# Altium PCB ZYNQ_IPMC.PcbDoc (part 2 of 6) (continued)
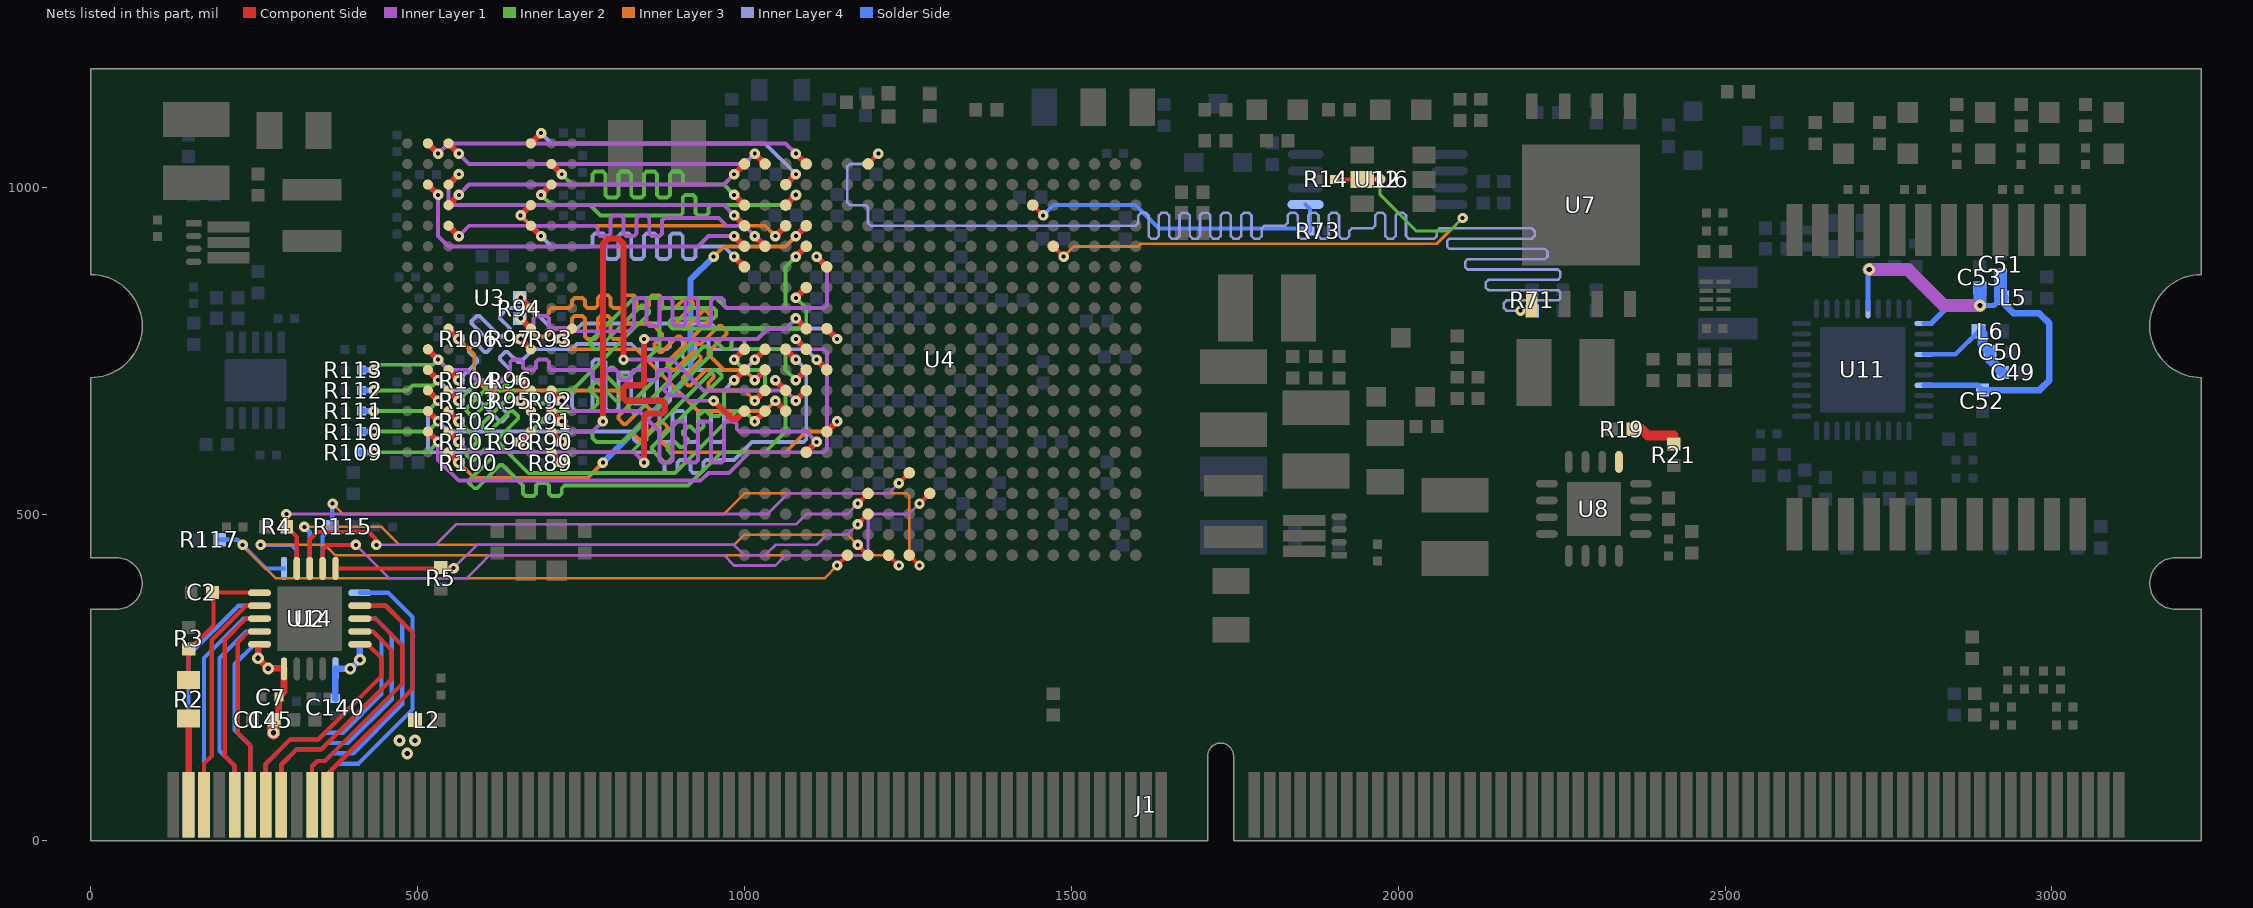
[diagram p10: the nets of this part, all layers, seen from the top]
## Nets (pads, with @x,y where several pads share a name; then routed paths per layer and width w, separated by ;. In a path a pad name is that pad's centre, name@x,y a point inside that pad or via, vN(x,y) a via of type N, cw(c..) or ccw(c..) an arc to the next point about the centre after c; other vN are vias at no path point) (continued)
  Solder Side w6.5: v1(2187.01,811.02) 2204.13,811.02 R71.2@2204.72,810.43
\SPI_CS0: R73.2 U4.C15 U12.1 | length 496.8
  Component Side w6: U4.C15@1440.94,972.44 v1(1456.69,956.69)
  Solder Side w6: v1(1456.69,956.69) 1472.44,972.44 1598.43,972.44 1633.86,937.01 1861.22,937.01 R73.2@1865.16,933.07 1865.16,966.54 U12.1@1858.27,973.43
\SPI_CS1: R14.2 U4.E16 U6.5 | length 907.4
  Component Side w6: U4.E16@1472.44,909.45 v1(1488.19,893.7) ; R14.2@1902.56,1011.81 U6.5@1944.88,1011.81 v1(1972.44,1011.81)
  Inner Layer 2 w4.5: v1(1972.44,1011.81) 1972.44,988.19 2027.56,933.07 2078.74,933.07 v1(2098.43,952.76)
  Inner Layer 3 w4.5: v1(1488.19,893.7) 1503.94,909.45 1602.36,909.45 1606.3,913.39 2059.06,913.39 v1(2098.43,952.76)
ADC-A_IN0: C2.2 R2.2 R3.2 U2.16 | length 223
  Component Side w6.5: R2.2@149.61,246.06 149.61,293.27 150,293.27 151.54,293.27 187.72,329.45 C2.2@187.72,380 ; C2.2@186.34,380 C2.2@187.72,380 ; U2.16@258.23,379.37 257.6,380 C2.2@187.72,380
ADC-A_IN1: J1.3 U2.17 | length 351.8
  Component Side w6.5: J1.3@173.23,55.12 173.23,118.11 185,129.88 185,307.05 237.64,359.69 U2.17@258.23,359.69
ADC-A_IN2: J1.5 U2.18 | length 325.4
  Component Side w6.5: J1.5@220.47,55.12 220.47,114.17 205,129.65 205,307.36 237.64,340 U2.18@258.23,340
ADC-A_IN3: J1.6 U2.19 | length 296.6
  Component Side w6.5: J1.6@244.09,55.12 244.09,145.67 225,164.76 225,303.74 241.57,320.32 U2.19@258.23,320.32
ADC-A_IN4: J1.7 U2.6 | length 373.9
  Component Side w6.5: J1.7@267.72,55.12 267.72,117.72 305,155 347.91,155 444.88,251.97 444.88,279.53 423.78,300.63 U2.6@411.77,300.63 403.83,300.63 U2.6@402.98,299.78
ADC-A_IN5: J1.8 U2.7 | length 389.2
  Component Side w6.5: J1.8@291.34,55.12 291.34,116.34 315,140 352.6,140 460.63,248.03 460.63,291.34 431.65,320.32 U2.7@411.77,320.32
ADC-A_IN6: J1.10 U2.8 | length 389.6
  Component Side w6.5: J1.10@338.58,55.12 338.58,114.17 346.46,122.05 358.27,122.05 476.38,240.16 476.38,299.21 435.59,340 U2.8@411.77,340
ADC-A_IN7: J1.11 U2.9 | length 414.8
  Component Side w6.5: J1.11@362.2,55.12 367.06,59.98 367.06,107.22 492.13,232.28 492.13,318.9 451.34,359.69 U2.9@411.77,359.69
ADC-A_SPI_CLK: U2.13 U4.U7 | length 948.3
  Component Side w6.5: U2.13@335,416.77 335,460.98 346.46,472.44 425.2,472.44 437.01,460.63 v1(437.01,452.76) ; v1(1173.23,515.75) U4.U7@1188.98,531.5
  Inner Layer 1 w4: v1(437.01,452.76) 527.56,452.76 559.06,484.25 1078.74,484.25 1094.49,500 1157.48,500 v1(1173.23,515.75)
ADC-A_SPI_MISO: R4.1 U2.14 U4.T9 | length 1068.7
  Component Side w6.5: v1(299.21,500) 299.8,499.41 R4.1@299.8,480.32 315.31,464.8 U2.14@315.31,416.77 ; v1(1236.22,547.24) U4.T9@1251.97,562.99
  Inner Layer 1 w4: v1(299.21,500) 1035.43,500 1066.93,531.5 1220.47,531.5 v1(1236.22,547.24)
ADC-A_SPI_MOSI: U2.12 U4.U10 | length 1080.7
  Component Side w6.5: U2.12@354.68,416.77 354.68,445.24 362.2,452.76 v1(405.51,452.76) ; v1(1267.72,515.75) U4.U10@1283.46,531.5
  Inner Layer 1 w4: v1(405.51,452.76) 456.69,401.57 574.8,401.57 594.49,421.26 610.24,437.01 968.5,437.01 984.25,421.26 1047.24,421.26 1062.99,437.01 1185.04,437.01 1188.98,440.94 1188.98,496.06 1192.91,500 1251.97,500 v1(1267.72,515.75)
ADC-B_IN0: J1.124 U14.9 | length 368.5
  Solder Side w6.5: J1.124@149.61,55.12 149.61,283.46 225.83,359.68 U14.9@258.23,359.68
ADC-B_IN1: J1.125 U14.8 | length 334.5
  Solder Side w6.5: J1.125@173.23,55.12 173.23,279.53 233.7,340 U14.8@258.23,340
ADC-B_IN2: J1.127 U14.7 | length 312.5
  Solder Side w6.5: J1.127@220.47,55.12 220.47,114.17 196.85,137.8 196.85,279.53 237.64,320.31 U14.7@258.23,320.31
ADC-B_IN3: J1.128 U14.6 | length 275.9
  Solder Side w6.5: J1.128@244.09,55.12 244.09,145.67 220,169.76 220,270.19 250.44,300.63 U14.6@258.23,300.63
ADC-B_IN4: J1.129 U14.19 | length 399.7
  Solder Side w6.5: J1.129@267.72,55.12 267.72,117.72 305,155 347.91,155 358.27,165.35 385.83,165.35 444.88,224.41 444.88,307.09 431.65,320.31 U14.19@417.32,320.31
ADC-B_IN5: J1.130 U14.18 | length 429.7
  Solder Side w6.5: J1.130@291.34,55.12 291.34,116.34 315,140 352.6,140 362.2,149.61 393.7,149.61 460.63,216.54 460.63,314.96 435.59,340 U14.18@411.77,340
ADC-B_IN6: J1.132 U14.17 | length 437
  Solder Side w6.5: J1.132@338.58,55.12 338.58,114.17 346.46,122.05 358.27,122.05 370.08,133.86 401.57,133.86 476.38,208.66 476.38,334.65 451.34,359.68 U14.17@411.77,359.68
ADC-B_IN7: J1.133 U14.16 | length 455
  Solder Side w6.5: J1.133@362.2,55.12 362.2,101.87 378.45,118.11 409.45,118.11 492.13,200.79 492.13,342.52 455.28,379.37 U14.16@411.77,379.37
ADC-B_SPI_CLK: U4.Y7 U14.13 | length 960.1
  Component Side w6.5: v1(1173.23,452.76) U4.Y7@1188.98,437.01
  Inner Layer 3 w4: v1(326.77,480.32) 444.88,480.32 472.44,452.76 984.25,452.76 1000,468.5 1157.48,468.5 v1(1173.23,452.76)
  Solder Side w6.5: v1(326.77,480.32) 335,472.09 U14.13@335,416.77
ADC-B_SPI_MISO: R115.1 U4.Y9 U14.14 | length 1143.5
  Component Side w6.5: U4.Y9@1251.97,437.01 v1(1267.72,421.26)
  Inner Layer 3 w4: v1(370.08,515.75) 385.83,500 968.5,500 1000,531.5 1248.03,531.5 1251.97,527.56 1251.97,437.01 v1(1267.72,421.26)
  Solder Side w6.5: U14.14@354.69,416.77 354.69,465.51 R115.1@369.49,480.32 369.49,515.16 v1(370.08,515.75)
ADC-B_SPI_MOSI: U4.Y8 U14.12 | length 1098.3
  Component Side w6.5: U4.Y8@1220.47,437.01 v1(1236.22,421.26)
  Inner Layer 3 w4: v1(259.84,452.76) 358.27,452.76 374.02,437.01 1220.47,437.01 v1(1236.22,421.26)
  Solder Side w6.5: v1(259.84,452.76) 307.09,452.76 315.31,444.53 U14.12@315.31,416.77
ADJ_1.8: R19.1 R21.2 U8.9 | length 53.3
  Component Side w15: 2372.05,629.92 2381.89,620.08 2421.26,620.08
AVCC3.3: C4.2 C7.2 C140.2 C145.2 L2.2 U2.1 U2.20 U14.1 U14.20 | length 305.5
  Component Side w10: U2.20@258.23,300.63 255.9,298.31 v3(255.91,279.53) v3(271.65,263.78) 295.08,263.78 U2.1@295.63,263.23 295.63,227.83 C7.2@287.8,220 287.8,192.72 C4.2@280.12,185.04 C4.2@279.53,184.45
  Component Side w20: v3(279.53,165.35) C4.2@279.53,184.45
  Solder Side w10: C140.2@374.02,217.52 374.37,217.87 U14.1@374.37,263.23 v3(397.09,263.23) 397.8,263.23 v3(411.77,277.2) U14.20@411.77,300.63
  Solder Side w20: v3(279.53,165.35) 279.53,184.45 C145.2@280.12,185.04
  other v3: 484.25,133.86 472.44,153.54 496.06,153.54
AVDD33: C49.2 C50.2 L6.1 U11.14 | length 178.5
  Solder Side w7: U11.14@2804.13,744.09 2852.36,744.09 L6.1@2887.8,779.53 L6.1@2893.7,785.43
  Solder Side w15: L6.1@2893.7,775.59 2893.7,759.25 C50.2@2904.92,748.03 2904.92,736.22 C49.2@2924.61,716.54
AVDDL: C51.2 C52.2 C53.2 L5.2 U11.6 U11.11 U11.17 | length 831.4
  Inner Layer 1 w20: v3(2720.47,874.02) 2779.53,874.02 2834.65,818.9 v3(2889.76,818.9)
  Solder Side w8: U11.6@2718.5,813.98 2718.5,872.05 v3(2720.47,874.02) ; U11.17@2804.13,696.85 2886.42,696.85 C52.2@2893.7,689.57 ; U11.11@2804.13,791.34 2814.96,791.34 2842.52,818.9 v3(2889.76,818.9) 2911.42,818.9 L5.2@2923.23,830.71
  Solder Side w10: C52.2@2893.7,689.57 2980.91,689.57 2996.06,704.72 2996.06,791.34 2980.31,807.09 2940.94,807.09 2923.23,824.8 L5.2@2923.23,830.71
  Solder Side w20: v3(2889.76,818.9) C53.2@2889.76,845.87 ; C51.2@2921.26,865.55 2921.26,832.68 L5.2@2923.23,830.71
DDR3_A0: R103.1 U3.N3 U4.N2 | length 914.3
  Component Side w9.5: U3.N3@547.24,688.98 v2(562.99,673.23) ; v1(1015.75,641.73) U4.N2@1031.5,657.48
  Inner Layer 2 w6: v2(562.99,673.23) 594.49,704.72 598.43,704.72 606.3,696.85 606.3,692.91 574.8,661.42 574.8,657.48 582.68,649.61 586.61,649.61 633.86,696.85 637.8,696.85 645.67,688.98 645.67,685.04 598.43,637.8 598.43,633.86 606.3,625.98 610.24,625.98 641.73,657.48 645.67,657.48 653.54,649.61 653.54,645.67 629.92,622.05 622.05,614.17 622.05,610.24 669.29,562.99 893.7,562.99 988.19,657.48 1000,657.48 v1(1015.75,641.73)
DDR3_A1: R95.1 U3.P7 U4.K2 | length 915.3
  Component Side w9.5: v2(657.48,673.23) U3.P7@673.23,657.48 ; v1(1015.75,736.22) U4.K2@1031.5,751.97
  Inner Layer 4 w6: v2(657.48,673.23) 673.23,657.48 673.23,645.67 677.17,641.73 696.85,641.73 700.79,645.67 700.79,685.04 704.72,688.98 732.28,688.98 736.22,685.04 736.22,661.42 740.16,657.48 763.78,657.48 767.72,661.42 767.72,732.28 771.65,736.22 783.46,736.22 787.4,732.28 787.4,661.42 791.34,657.48 803.15,657.48 807.09,661.42 807.09,712.6 811.02,716.54 822.83,716.54 826.77,712.6 826.77,673.23 830.71,669.29 842.52,669.29 846.46,673.23 846.46,732.28 850.39,736.22 862.2,736.22 866.14,732.28 866.14,673.23 870.08,669.29 881.89,669.29 885.83,673.23 885.83,716.54 889.76,720.47 1000,720.47 v1(1015.75,736.22)
DDR3_A2: R102.1 U3.P3 U4.M3 | length 913.5
  Component Side w9.5: U3.P3@547.24,657.48 v2(562.99,641.73) ; v1(1047.24,704.72) U4.M3@1062.99,688.98
  Inner Layer 2 w6: v2(562.99,641.73) 590.55,614.17 590.55,610.24 574.8,594.49 574.8,590.55 582.68,582.68 586.61,582.68 602.36,598.43 606.3,598.43 614.17,590.55 614.17,586.61 578.74,551.18 578.74,547.24 586.61,539.37 590.55,539.37 625.98,574.8 629.92,574.8 661.42,543.31 661.42,531.5 665.35,527.56 677.17,527.56 681.1,531.5 681.1,543.31 685.04,547.24 696.85,547.24 700.79,543.31 700.79,531.5 704.72,527.56 716.54,527.56 720.47,531.5 720.47,539.37 724.41,543.31 913.39,543.31 964.57,594.49 1031.5,594.49 1062.99,625.98 1062.99,688.98 v1(1047.24,704.72)
DDR3_A3: R111.1 U3.N2 U4.K3 | length 1036.7
  Component Side w9.5: U3.N2@515.75,688.98 v1(531.5,673.23) ; U4.K3@1062.99,751.97 v1(1078.74,736.22)
  Inner Layer 2 w6: v1(433.07,657.48) 515.75,657.48 v1(531.5,673.23)
  Inner Layer 4 w6: v1(531.5,673.23) 515.75,657.48 515.75,598.43 519.68,594.49 862.2,594.49 877.95,578.74 877.95,566.93 881.89,562.99 893.7,562.99 897.64,566.93 897.64,578.74 901.57,582.68 913.39,582.68 917.32,578.74 917.32,566.93 921.26,562.99 933.07,562.99 937.01,566.93 937.01,578.74 940.94,582.68 984.25,582.68 1011.81,610.24 1090.55,610.24 1094.49,614.17 1094.49,720.47 v1(1078.74,736.22)
  Solder Side w9.5: R111.1@414.37,657.48 v1(433.07,657.48)
DDR3_A4: R91.1 U3.P8 U4.M4 | length 897.3
  Component Side w9.5: U3.P8@704.72,657.48 v2(720.47,641.73) ; v1(783.46,641.73) 783.46,913.39 791.34,921.26 807.09,921.26 814.96,913.39 v1(814.96,736.22) ; v1(1078.74,673.23) U4.M4@1094.49,688.98
  Inner Layer 1 w6: v2(720.47,641.73) 736.22,625.98 767.72,625.98 v1(783.46,641.73) ; v1(814.96,736.22) 889.76,736.22 937.01,688.98 1062.99,688.98 v1(1078.74,673.23)
DDR3_A5: R110.1 U3.P2 U4.L1 | length 977.4
  Component Side w9.5: U3.P2@515.75,657.48 v1(531.5,641.73) ; v1(984.25,704.72) U4.L1@1000,720.47
  Inner Layer 2 w6: v1(433.07,625.98) 515.75,625.98 v1(531.5,641.73)
  Inner Layer 4 w6: v1(531.5,641.73) 547.24,625.98 826.77,625.98 830.71,622.05 830.71,614.17 834.65,610.24 846.46,610.24 850.39,614.17 850.39,653.54 854.33,657.48 866.14,657.48 870.08,653.54 870.08,614.17 874.02,610.24 885.83,610.24 889.76,614.17 889.76,653.54 893.7,657.48 905.51,657.48 909.45,653.54 909.45,614.17 913.39,610.24 925.2,610.24 929.13,614.17 929.13,653.54 933.07,657.48 944.88,657.48 948.82,653.54 948.82,614.17 952.76,610.24 964.57,610.24 968.5,614.17 968.5,688.98 v1(984.25,704.72)
  Solder Side w9.5: R110.1@414.37,625.98 v1(433.07,625.98)
DDR3_A6: R90.1 U3.R8 U4.L4 | length 890.4
  Component Side w9.5: U3.R8@704.72,625.98 v2(720.47,610.24) ; v1(1078.74,704.72) U4.L4@1094.49,720.47
  Inner Layer 2 w6: v2(720.47,610.24) 736.22,625.98 763.78,625.98 767.72,622.05 767.72,616.14 773.62,610.24 814.96,610.24 948.82,744.09 948.82,748.03 940.94,755.91 937.01,755.91 834.65,653.54 830.71,653.54 822.83,661.42 822.83,665.35 925.2,767.72 952.76,767.72 968.5,751.97 976.38,751.97 980.31,755.91 980.31,763.78 984.25,767.72 996.06,767.72 1000,763.78 1000,755.91 1003.94,751.97 1059.06,751.97 1062.99,748.03 1062.99,720.47 v1(1078.74,704.72)
DDR3_A7: R109.1 U3.R2 U4.K4 | length 1027.9
  Component Side w9.5: U3.R2@515.75,625.98 v1(531.5,610.24) ; v1(1078.74,767.72) U4.K4@1094.49,751.97
  Inner Layer 1 w6: v1(531.5,610.24) 531.5,582.68 562.99,551.18 933.07,551.18 944.88,562.99 976.38,562.99 1007.87,594.49 1122.05,594.49 1125.98,598.43 1125.98,748.03 1122.05,751.97 1094.49,751.97 v1(1078.74,767.72)
  Inner Layer 2 w6: v1(433.07,594.49) 515.75,594.49 v1(531.5,610.24)
  Solder Side w9.5: R109.1@414.37,594.49 v1(433.07,594.49)
DDR3_A8: R89.1 U3.T8 U4.K1 | length 913.3
  Component Side w9.5: U3.T8@704.72,594.49 v2(720.47,578.74) ; v1(984.25,736.22) U4.K1@1000,751.97
  Inner Layer 2 w6: v2(720.47,578.74) 736.22,594.49 826.77,594.49 952.76,720.47 956.69,720.47 964.57,712.6 964.57,708.66 858.27,602.36 858.27,598.43 866.14,590.55 877.95,578.74 881.89,578.74 889.76,586.61 889.76,590.55 881.89,598.43 881.89,602.36 889.76,610.24 893.7,610.24 901.57,602.36 905.51,602.36 913.39,610.24 913.39,614.17 905.51,622.05 905.51,625.98 913.39,633.86 917.32,633.86 925.2,625.98 929.13,625.98 937.01,633.86 937.01,637.8 929.13,645.67 929.13,649.61 937.01,657.48 940.94,657.48 948.82,649.61 960.63,649.61 968.5,657.48 968.5,685.04 972.44,688.98 1027.56,688.98 1031.5,692.91 1031.5,716.54 1027.56,720.47 1000,720.47 v1(984.25,736.22)
DDR3_A9: R101.1 U3.R3 U4.J4 | length 887.5
  Component Side w9.5: U3.R3@547.24,625.98 v2(562.99,610.24) ; v1(846.46,578.74) 846.46,649.61 850.39,653.54 874.02,653.54 877.95,657.48 877.95,669.29 874.02,673.23 818.9,673.23 814.96,677.17 814.96,692.91 818.9,696.85 842.52,696.85 846.46,700.79 v1(846.46,767.72) ; v1(1078.74,799.21) U4.J4@1094.49,783.46
  Inner Layer 1 w6: v2(562.99,610.24) 578.74,594.49 830.71,594.49 v1(846.46,578.74) ; v1(846.46,767.72) 1019.68,767.72 1035.18,783.22 1062.74,783.22 v1(1078.74,799.21)
DDR3_A10: R97.1 U3.L7 U4.F5 | length 921.9
  Component Side w9.5: v2(657.48,767.72) U3.L7@673.23,751.97 ; v1(1110.24,893.7) U4.F5@1125.98,877.95
  Inner Layer 1 w6: v2(657.48,767.72) 677.17,787.4 677.17,799.21 681.1,803.15 696.85,803.15 700.79,799.21 700.79,787.4 704.72,783.46 732.28,783.46 736.22,779.53 822.83,779.53 830.71,787.4 830.71,826.77 834.65,830.71 846.46,830.71 850.39,826.77 850.39,791.34 854.33,787.4 866.14,787.4 870.08,791.34 870.08,826.77 874.02,830.71 885.83,830.71 889.76,826.77 889.76,791.34 893.7,787.4 905.51,787.4 909.45,791.34 909.45,826.77 913.39,830.71 925.2,830.71 929.13,826.77 929.13,791.34 933.07,787.4 944.88,787.4 948.82,791.34 948.82,826.77 952.76,830.71 964.57,830.71 968.5,826.77 968.5,818.9 972.44,814.96 1122.05,814.96 1125.98,818.9 1125.98,877.95 v1(1110.24,893.7)
DDR3_A11: R98.1 U3.R7 U4.G4 | length 940.2
  Component Side w9.5: v2(657.48,610.24) U3.R7@673.23,625.98 ; v1(1078.74,830.71) U4.G4@1094.49,846.46
  Inner Layer 2 w6: v2(657.48,610.24) 704.72,657.48 763.78,657.48 775.59,669.29 775.59,677.17 763.78,688.98 763.78,692.91 771.65,700.79 775.59,700.79 803.15,673.23 807.09,673.23 814.96,681.1 814.96,685.04 787.4,712.6 787.4,716.54 795.28,724.41 799.21,724.41 814.96,708.66 822.83,708.66 870.08,755.91 870.08,811.02 874.02,814.96 952.76,814.96 956.69,811.02 956.69,803.15 952.76,799.21 889.76,799.21 885.83,795.28 885.83,787.4 889.76,783.46 1090.55,783.46 1094.49,787.4 1094.49,814.96 v1(1078.74,830.71)
DDR3_A12: R96.1 U3.N7 U4.E4 | length 876.1
  Component Side w9.5: v2(657.48,704.72) U3.N7@673.23,688.98 ; v1(1078.74,893.7) U4.E4@1094.49,909.45
  Inner Layer 2 w6: v2(657.48,704.72) 677.17,685.04 677.17,673.23 681.1,669.29 692.91,669.29 696.85,673.23 696.85,685.04 700.79,688.98 736.22,688.98 854.33,807.09 854.33,811.02 846.46,818.9 842.52,818.9 775.59,751.97 771.65,751.97 763.78,759.84 763.78,763.78 830.71,830.71 956.69,830.71 972.44,814.96 1059.06,814.96 1062.99,818.9 1062.99,877.95 v1(1078.74,893.7)
DDR3_A13: R100.1 U3.T3 U4.D4 | length 808.7
  Component Side w9.5: U3.T3@547.24,594.49 v2(562.99,578.74) ; v1(1078.74,925.2) U4.D4@1094.49,940.94
  Inner Layer 3 w6: v2(562.99,578.74) 586.61,555.12 759.84,555.12 v1(783.46,578.74) ; v1(952.76,893.7) 968.5,909.45 1062.99,909.45 v1(1078.74,925.2)
  Solder Side w9.5: v1(783.46,578.74) 917.32,712.6 917.32,858.27 v1(952.76,893.7)
DDR3_BA0: R112.1 U3.M2 U4.L5 | length 1016.7
  Component Side w9.5: U3.M2@515.75,720.47 v1(531.5,704.72) ; v1(1110.24,736.22) U4.L5@1125.98,720.47
  Inner Layer 2 w6: v1(433.07,688.98) 484.25,688.98 492.13,696.85 523.62,696.85 v1(531.5,704.72)
  Inner Layer 4 w6: v1(531.5,704.72) 547.24,688.98 578.74,688.98 625.98,641.73 629.92,641.73 637.8,649.61 637.8,653.54 610.24,681.1 610.24,685.04 641.73,716.54 641.73,720.47 625.98,736.22 625.98,740.16 633.86,748.03 637.8,748.03 653.54,732.28 657.48,732.28 677.17,751.97 736.22,751.97 744.09,759.84 826.77,759.84 834.65,751.97 881.89,751.97 885.83,755.91 885.83,763.78 889.76,767.72 901.57,767.72 905.51,763.78 905.51,740.16 909.45,736.22 921.26,736.22 925.2,740.16 925.2,763.78 929.13,767.72 940.94,767.72 944.88,763.78 944.88,755.91 948.82,751.97 1094.49,751.97 v1(1110.24,736.22)
  Solder Side w9.5: R112.1@414.37,688.98 v1(433.07,688.98)
DDR3_BA1: R92.1 U3.N8 U4.R4 | length 808.4
  Component Side w9.5: U3.N8@704.72,688.98 v2(720.47,673.23) ; U4.R4@1094.49,594.49 v1(1110.24,610.24)
  Inner Layer 1 w6: v2(720.47,673.23) 736.22,657.48 838.58,657.48 870.08,625.98 870.08,582.68 874.02,578.74 885.83,578.74 889.76,582.68 889.76,637.8 893.7,641.73 905.51,641.73 909.45,637.8 909.45,582.68 913.39,578.74 925.2,578.74 929.13,582.68 929.13,637.8 933.07,641.73 944.88,641.73 948.82,637.8 948.82,582.68 952.76,578.74 964.57,578.74 968.5,582.68 968.5,637.8 972.44,641.73 984.25,641.73 988.19,637.8 988.19,629.92 992.13,625.98 1094.49,625.98 v1(1110.24,610.24)
DDR3_BA2: R104.1 U3.M3 U4.J5 | length 860.6
  Component Side w9.5: U3.M3@547.24,720.47 v2(562.99,704.72) ; U4.J5@1125.98,783.46 v1(1141.73,767.72)
  Inner Layer 4 w6: v2(562.99,704.72) 590.55,732.28 590.55,736.22 578.74,748.03 578.74,751.97 586.61,759.84 590.55,759.84 602.36,748.03 606.3,748.03 614.17,755.91 614.17,759.84 582.68,791.34 582.68,795.28 590.55,803.15 594.49,803.15 625.98,771.65 629.92,771.65 641.73,783.46 625.98,799.21 625.98,803.15 637.8,814.96 673.23,814.96 704.72,783.46 744.09,783.46 751.97,791.34 948.82,791.34 956.69,783.46 1125.98,783.46 v1(1141.73,767.72)
DDR3_CAS#: R106.1 U3.K3 U4.P5 | length 905.1
  Component Side w9.5: U3.K3@547.24,783.46 v2(562.99,767.72) ; U4.P5@1125.98,625.98 v1(1141.73,641.73)
  Inner Layer 3 w6: v2(562.99,767.72) 586.61,744.09 586.61,708.66 606.3,688.98 803.15,688.98 822.83,669.29 822.83,665.35 807.09,649.61 807.09,645.67 814.96,637.8 818.9,637.8 846.46,665.35 850.39,665.35 858.27,657.48 858.27,653.54 830.71,625.98 830.71,622.05 838.58,614.17 842.52,614.17 870.08,641.73 874.02,641.73 881.89,633.86 881.89,629.92 870.08,618.11 870.08,614.17 889.76,594.49 1062.99,594.49 1094.49,625.98 1125.98,625.98 v1(1141.73,641.73)
DDR3_CK_N: R94.1 U3.K7 U4.M2 | length 831.5
  Component Side w9.5: v2(657.48,799.21) U3.K7@673.23,783.46 ; v1(1015.75,673.23) U4.M2@1031.5,688.98
  Inner Layer 3 w6: v2(657.48,799.21) 677.17,779.53 677.17,775.59 681.1,771.65 696.85,771.65 700.79,775.59 700.79,779.53 704.72,783.46 732.28,783.46 736.22,787.4 736.22,799.21 740.16,803.15 751.97,803.15 755.91,799.21 755.91,771.65 759.84,767.72 771.65,767.72 775.59,771.65 775.59,799.21 779.53,803.15 791.34,803.15 795.28,799.21 795.28,771.65 799.21,767.72 811.02,767.72 814.96,771.65 814.96,787.4 818.9,791.34 858.27,791.34 874.02,775.59 874.02,771.65 862.2,759.84 862.2,755.91 870.08,748.03 874.02,748.03 897.64,771.65 901.57,771.65 909.45,763.78 909.45,759.84 881.89,732.28 881.89,728.35 889.76,720.47 893.7,720.47 921.26,748.03 925.2,748.03 933.07,740.16 933.07,736.22 905.51,708.66 905.51,704.72 913.39,696.85 917.32,696.85 940.94,720.47 944.88,720.47 952.76,712.6 952.76,708.66 944.88,700.79 944.88,692.91 948.82,688.98 1000,688.98 v1(1015.75,673.23)
DDR3_CK_P: R94.2 U3.J7 U4.L2 | length 812.1
  Component Side w9.5: v2(657.48,830.71) U3.J7@673.23,814.96 ; v1(1015.75,704.72) U4.L2@1031.5,720.47
  Inner Layer 3 w6: v2(657.48,830.71) 677.17,811.02 677.17,807.09 681.1,803.15 696.85,803.15 700.79,807.09 700.79,811.02 704.72,814.96 732.28,814.96 736.22,818.9 736.22,826.77 740.16,830.71 751.97,830.71 755.91,826.77 755.91,818.9 759.84,814.96 771.65,814.96 775.59,818.9 775.59,830.71 779.53,834.65 791.34,834.65 795.28,830.71 795.28,818.9 799.21,814.96 811.02,814.96 814.96,818.9 814.96,830.71 818.9,834.65 830.71,834.65 834.65,830.71 834.65,818.9 838.58,814.96 850.39,814.96 854.33,818.9 854.33,830.71 858.27,834.65 870.08,834.65 874.02,830.71 874.02,818.9 877.95,814.96 893.7,814.96 909.45,830.71 913.39,830.71 921.26,822.83 921.26,818.9 897.64,795.28 897.64,791.34 905.51,783.46 909.45,783.46 937.01,811.02 940.94,811.02 948.82,803.15 948.82,799.21 921.26,771.65 921.26,767.72 929.13,759.84 933.07,759.84 960.63,787.4 964.57,787.4 972.44,779.53 972.44,775.59 944.88,748.03 944.88,744.09 968.5,720.47 1000,720.47 v1(1015.75,704.72)
DDR3_CKE: R93.1 U3.K9 U4.N3 | length 423.5
  Component Side w9.5: v2(720.47,767.72) U3.K9@736.22,783.46 ; v1(1047.24,673.23) U4.N3@1062.99,657.48
  Inner Layer 3 w6: v2(720.47,767.72) 736.22,751.97 834.65,751.97 929.13,657.48 1031.5,657.48 v1(1047.24,673.23)
DDR3_CS#: R113.1 U3.L2 U4.N1 | length 813.3
  Component Side w9.5: U3.L2@515.75,751.97 v1(531.5,736.22) ; v1(952.76,673.23) 980.31,645.67 988.19,645.67 U4.N1@1000,657.48
  Inner Layer 1 w6: v1(531.5,736.22) 547.24,720.47 574.8,720.47 590.8,704.47 629.67,704.47 641.73,716.54 641.73,732.28 645.67,736.22 657.48,736.22 661.42,732.28 661.42,724.41 665.35,720.47 677.17,720.47 681.1,724.41 681.1,732.28 685.04,736.22 696.85,736.22 700.79,732.28 700.79,724.41 704.72,720.47 763.78,720.47 767.72,716.54 767.72,708.66 771.65,704.72 783.46,704.72 787.4,708.66 787.4,716.54 791.34,720.47 803.15,720.47 807.09,716.54 807.09,708.66 811.02,704.72 822.83,704.72 826.77,708.66 826.77,716.54 830.71,720.47 842.52,720.47 846.46,716.54 846.46,708.66 850.39,704.72 862.2,704.72 866.14,708.66 866.14,716.54 870.08,720.47 881.89,720.47 885.83,716.54 885.83,700.79 877.95,692.91 877.95,688.98 885.83,681.1 905.51,681.1 913.39,673.23 v1(952.76,673.23)
  Inner Layer 2 w6: v1(433.07,720.47) 440.94,728.35 523.62,728.35 v1(531.5,736.22)
  Solder Side w9.5: R113.1@414.37,720.47 v1(433.07,720.47)
DDR3_DM0: U3.D3 U4.A1 | length 478.8
  Component Side w9.5: U3.D3@547.24,972.44 v1(562.99,988.19) ; v1(984.25,1019.68) U4.A1@1000,1035.43
  Inner Layer 1 w6: v1(562.99,988.19) 578.74,1003.94 968.5,1003.94 v1(984.25,1019.68)
DDR3_DM1: U3.E7 U4.F1 | length 626.3
  Component Side w9.5: U3.E7@673.23,940.94 v1(688.98,925.2) ; v1(984.25,893.7) U4.F1@1000,877.95
  Inner Layer 4 w6: v1(688.98,925.2) 704.72,909.45 763.78,909.45 767.72,913.39 767.72,925.2 771.65,929.13 783.46,929.13 787.4,925.2 787.4,893.7 791.34,889.76 803.15,889.76 807.09,893.7 807.09,925.2 811.02,929.13 822.83,929.13 826.77,925.2 826.77,893.7 830.71,889.76 842.52,889.76 846.46,893.7 846.46,925.2 850.39,929.13 862.2,929.13 866.14,925.2 866.14,893.7 870.08,889.76 881.89,889.76 885.83,893.7 885.83,925.2 889.76,929.13 901.57,929.13 905.51,925.2 905.51,893.7 909.45,889.76 921.26,889.76 925.2,893.7 925.2,905.51 929.13,909.45 968.5,909.45 v1(984.25,893.7)
DDR3_DQ0: U3.C8 U4.C3 | length 518.8
  Component Side w9.5: v1(688.98,988.19) U3.C8@704.72,1003.94 ; U4.C3@1062.99,972.44 v2(1078.74,988.19)
  Inner Layer 2 w6: v1(688.98,988.19) 704.72,972.44 763.78,972.44 779.53,956.69 901.57,956.69 905.51,960.63 905.51,984.25 909.45,988.19 921.26,988.19 925.2,984.25 925.2,960.63 929.13,956.69 940.94,956.69 944.88,960.63 944.88,968.5 948.82,972.44 1062.99,972.44 v2(1078.74,988.19)
DDR3_DQ1: U3.A7 U4.B3 | length 460.4
  Component Side w9.5: U3.A7@673.23,1066.93 v1(688.98,1082.68) ; U4.B3@1062.99,1003.94 v1(1078.74,1019.68)
  Inner Layer 4 w6: v1(688.98,1082.68) 704.72,1066.93 1031.5,1066.93 v1(1078.74,1019.68)
DDR3_DQ2: U3.A3 U4.A2 | length 510.3
  Component Side w9.5: U3.A3@547.24,1066.93 v1(562.99,1051.18) ; v1(1015.75,1051.18) U4.A2@1031.5,1035.43
  Inner Layer 1 w6: v1(562.99,1051.18) 578.74,1035.43 1000,1035.43 v1(1015.75,1051.18)
DDR3_DQ3: U3.A2 U4.A4 | length 604.8
  Component Side w9.5: U3.A2@515.75,1066.93 v1(531.5,1051.18) ; v1(1078.74,1051.18) U4.A4@1094.49,1035.43
  Inner Layer 1 w6: v1(531.5,1051.18) 547.24,1066.93 1062.99,1066.93 v1(1078.74,1051.18)
DDR3_DQ4: U3.D7 U4.D3 | length 447.4
  Component Side w9.5: v1(657.48,956.69) U3.D7@673.23,972.44 ; v1(1047.24,925.2) U4.D3@1062.99,940.94
  Inner Layer 3 w6: v1(657.48,956.69) 673.23,940.94 1031.5,940.94 v1(1047.24,925.2)
DDR3_DQ5: U3.C3 U4.D1 | length 539.5
  Component Side w9.5: U3.C3@547.24,1003.94 v1(562.99,1019.68) ; v1(984.25,956.69) U4.D1@1000,940.94
  Inner Layer 1 w6: v1(562.99,1019.68) 547.24,1003.94 547.24,976.38 551.18,972.44 968.5,972.44 v1(984.25,956.69)
DDR3_DQ6: U3.B8 U4.C1 | length 562.3
  Component Side w9.5: U3.B8@704.72,1035.43 v1(720.47,1019.68) ; v1(984.25,988.19) U4.C1@1000,972.44 U4.C1@997.76,972.44
  Inner Layer 2 w6: v1(720.47,1019.68) 736.22,1003.94 763.78,1003.94 767.72,1007.87 767.72,1019.68 771.65,1023.62 783.46,1023.62 787.4,1019.68 787.4,988.19 791.34,984.25 803.15,984.25 807.09,988.19 807.09,1019.68 811.02,1023.62 822.83,1023.62 826.77,1019.68 826.77,988.19 830.71,984.25 842.52,984.25 846.46,988.19 846.46,1019.68 850.39,1023.62 862.2,1023.62 866.14,1019.68 866.14,988.19 870.08,984.25 881.89,984.25 885.83,988.19 885.83,1019.68 889.76,1023.62 901.57,1023.62 905.51,1019.68 905.51,1007.87 909.45,1003.94 968.5,1003.94 v1(984.25,988.19)
DDR3_DQ7: U3.C2 U4.E1 | length 573.3
  Component Side w9.5: U3.C2@515.75,1003.94 v1(531.5,988.19) ; v1(984.25,925.2) U4.E1@1000,909.45
  Inner Layer 1 w6: v1(531.5,988.19) 531.5,925.2 547.24,909.45 929.13,909.45 944.88,925.2 v1(984.25,925.2)
DDR3_DQ8: U3.E3 U4.E2 | length 656.9
  Component Side w9.5: U3.E3@547.24,940.94 v1(562.99,925.2) ; v1(1015.75,925.2) U4.E2@1031.5,909.45
  Inner Layer 1 w6: v1(562.99,925.2) 578.74,940.94 771.65,940.94 775.59,937.01 775.59,929.13 779.53,925.2 791.34,925.2 795.28,929.13 795.28,952.76 799.21,956.69 811.02,956.69 814.96,952.76 814.96,929.13 818.9,925.2 830.71,925.2 834.65,929.13 834.65,952.76 838.58,956.69 850.39,956.69 854.33,952.76 854.33,929.13 858.27,925.2 870.08,925.2 874.02,929.13 874.02,948.82 877.95,952.76 960.63,952.76 972.44,940.94 1000,940.94 v1(1015.75,925.2)